# Altium PCB as_x31.PcbDoc (part 3 of 6)
Units mm, origin at the board's own origin, x right, y up, seen from the top; angles counter-clockwise.
Board outline 130 x 100 mm, 6 copper layers (Top Layer, Ground_1, int_1, int_2, Power, Bottom Layer), stack 1.49 mm thick; 421 components, 378 nets, 2561 pads, 1344 vias.
Unrouted connection lines stored in the file: 3.
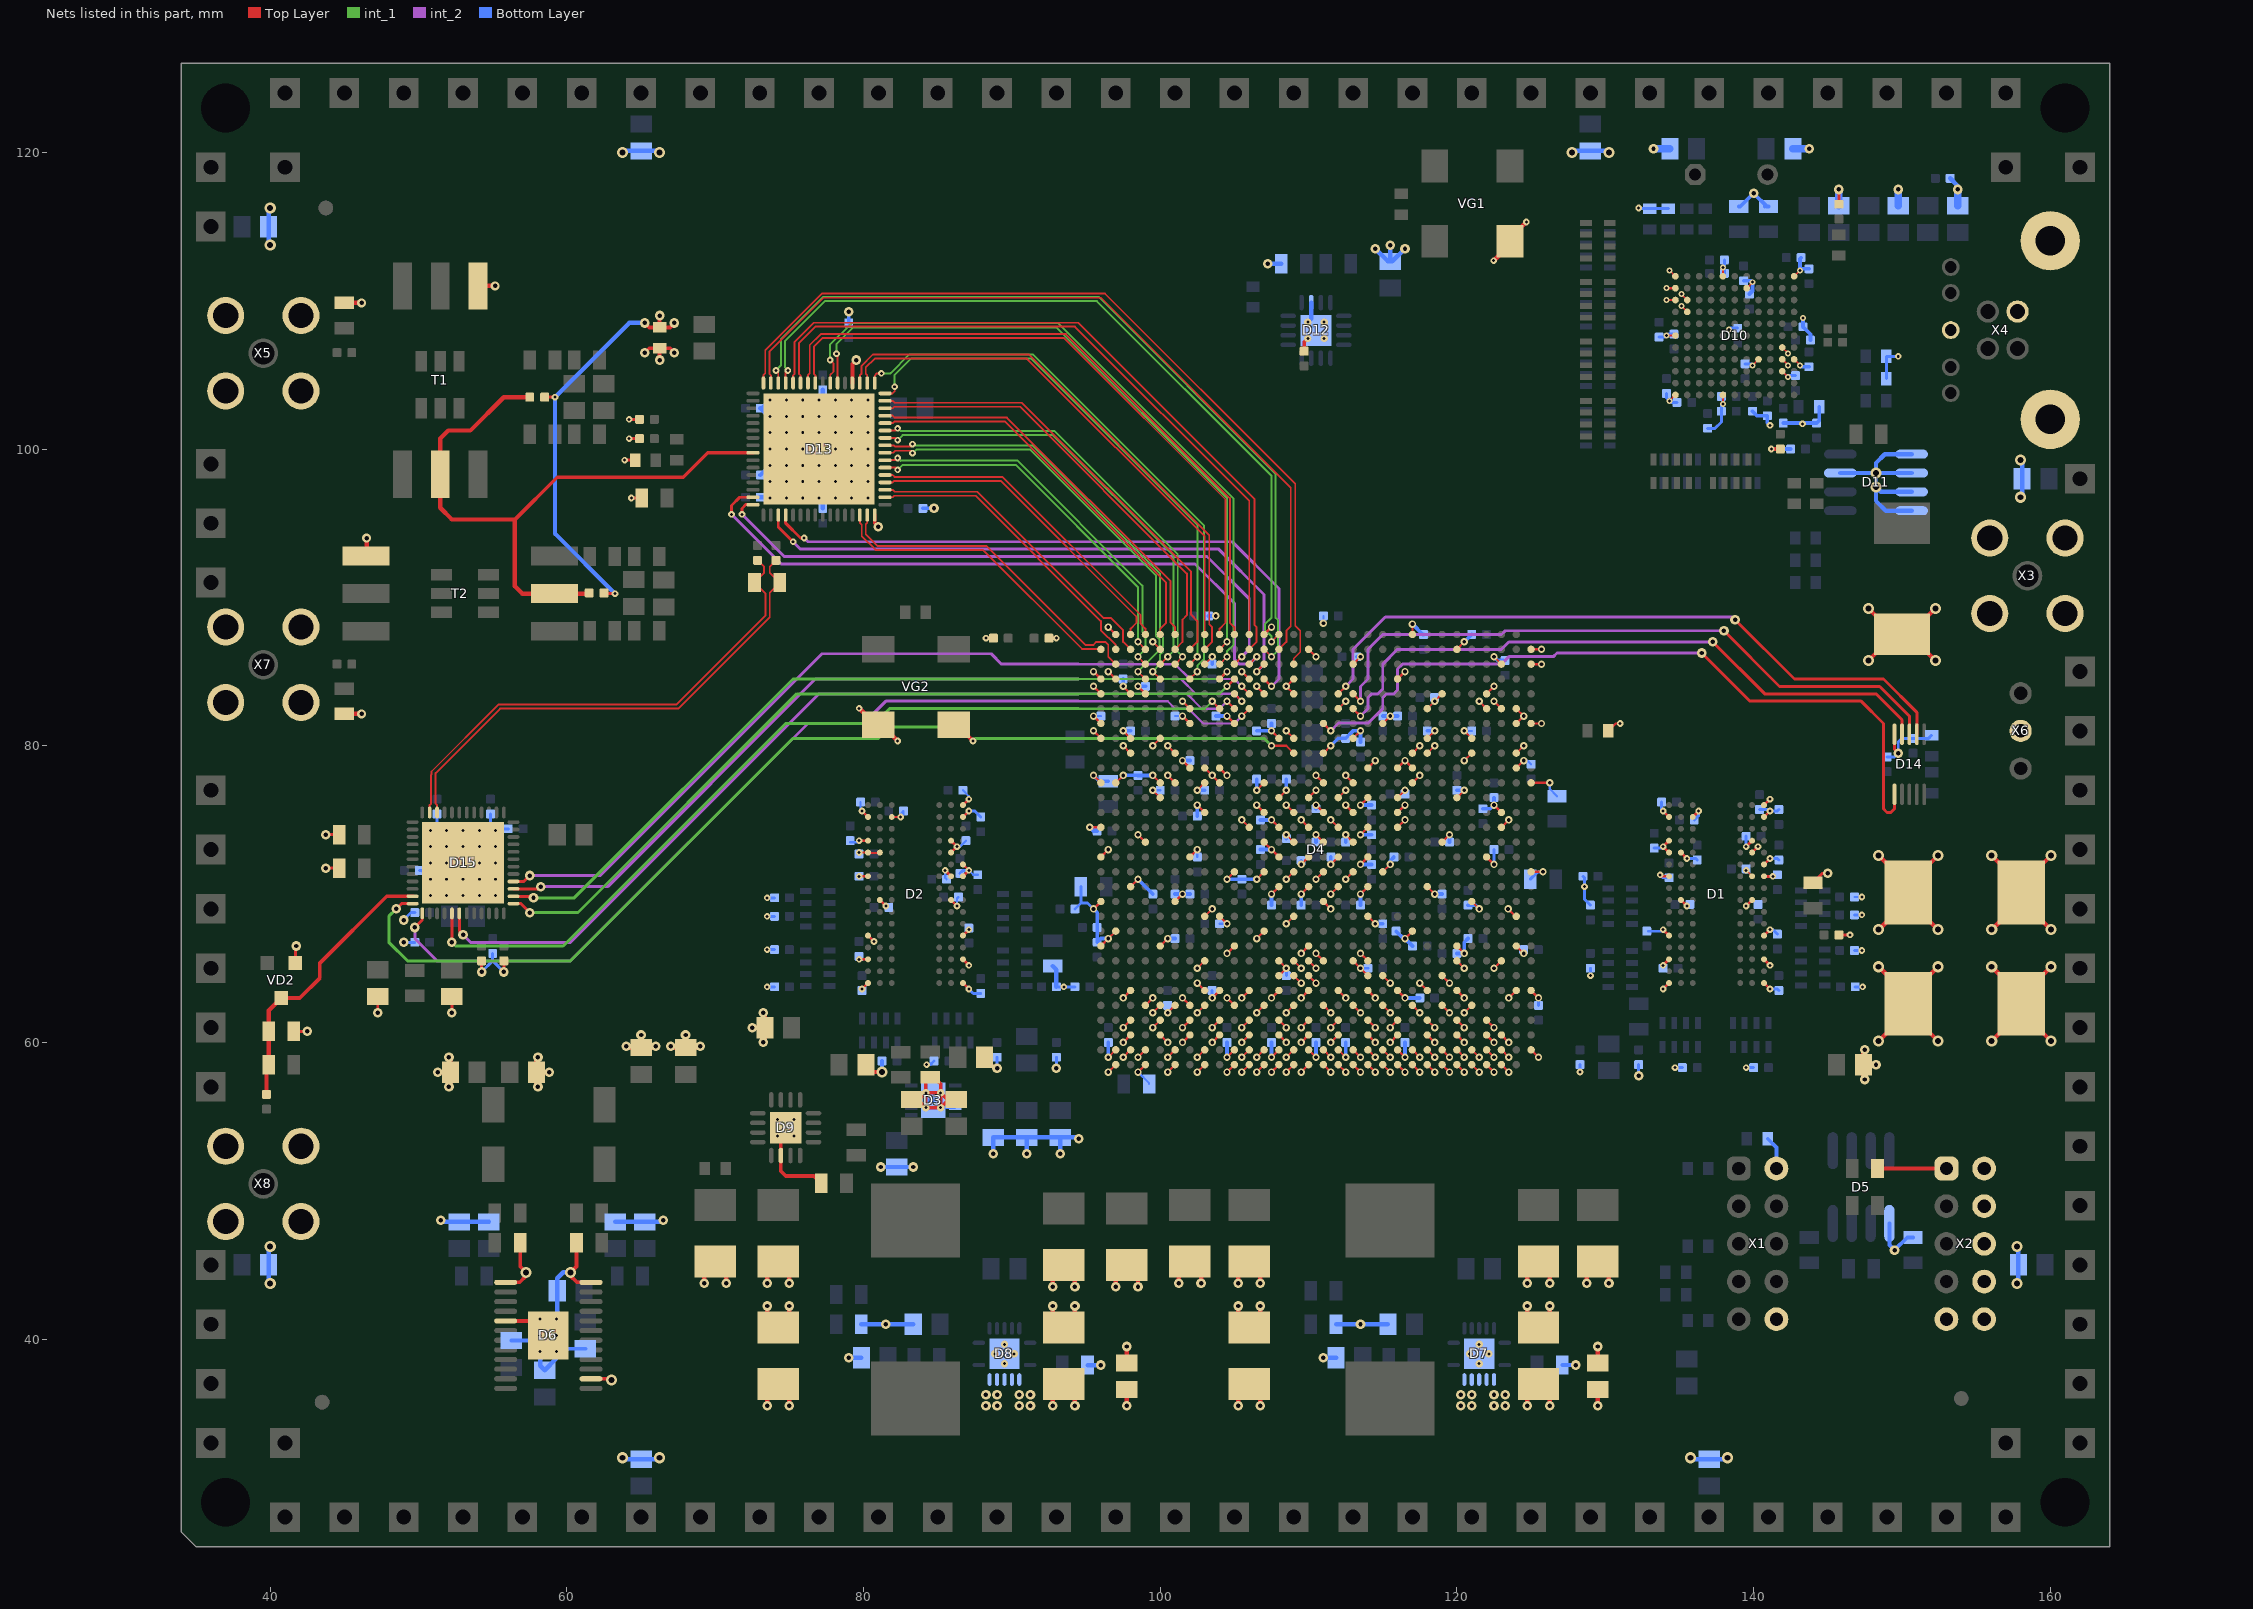
[diagram p7: the nets of this part, all layers, seen from the top]

## Via types
v1: diameter 0.5, hole 0.25, Top Layer to Bottom Layer, 538 vias
v2: diameter 0.45, hole 0.2, Top Layer to Bottom Layer, 348 vias
v3: diameter 0.65, hole 0.3, Top Layer to Bottom Layer, 223 vias
v4: diameter 0.5, hole 0.2, Top Layer to Bottom Layer, 100 vias
v5: diameter 0.4, hole 0.2, Top Layer to Bottom Layer, 83 vias
v6: diameter 0.75, hole 0.4, Top Layer to Bottom Layer, 45 vias
v7: diameter 0.6, hole 0.3, Top Layer to Bottom Layer, 7 vias

## Nets (pads, with @x,y where several pads share a name; then routed paths per layer and width w, separated by ;. In a path a pad name is that pad's centre, name@x,y a point inside that pad or via, vN(x,y) a via of type N, cw(c..) or ccw(c..) an arc to the next point about the centre after c; other vN are vias at no path point)
0V: C1.1 C2.1 C3.2 C4.2 C5.2 C6.2 C7.2 C8.2 C9.2 C10.2 C11.2 C12.2 C13.2 C14.2 C15.1 C16.1 C17.1 C18.1 C19.1 C20.1 C21.1 C22.1 C23.1 C24.1 C25.1 C26.1 C27.1 C28.1 C29.1 C30.1 C31.1 C32.1 C33.1 C34.1 C35.1 C36.1 C37.1 C38.1 C39.1 C40.1 C41.1 C42.1 C43.1 C44.1 C45.1 C46.1 C47.1 C48.1 C49.1 C50.1 C51.1 C52.1 C53.1 C54.1 C55.1 C56.1 C57.1 C58.1 C59.1 C60.1 C61.1 C62.1 C63.1 C64.1 C65.1 C66.1 C67.1 C68.1 C69.1 C70.1 C71.1 C72.1 C73.1 C74.1 C75.1 C76.1 C77.1 C78.1 C79.1 C80.1 C81.1 C82.1 C83.1 C84.1 C85.1 C86.1 C87.1 C88.1 C89.1 C90.1 C91.1 C92.1 C93.1 C94.1 C95.1 C96.1 C97.1 C98.1 C99.1 C100.1 C101.1 C102.1 C103.1 C104.1 C105.1 C106.1 C107.1 C108.1 C109.1 C110.1 C111.1 C112.1 C113.1 C114.1 C115.1 C116.1 C117.1 C118.1 C119.1 C120.1 C121.1 C122.1 C123.1 C124.1 C125.1 C126.1 C127.1 C128.1 C129.1 C130.1 C131.1 C132.1 C133.1 C134.1 C135.1 C136.1 C137.1 C138.1 C139.1 C140.1 C141.1 C142.1 C143.2 C144.2 C145.1 C146.1 C147.1 C148.1 C149.2 C150.2 C152.2 C153.2 C154.2 C155.2 C156.2 C157.1 C158.1 C159.1 C160.1 C161.1 C162.1 C163.1 C164.1 C165.1 C166.1 C167.2 C168.2 C169.2 C171.1 C172.1 C173.2 C174.2 C175.2 C176.2 C177.1 C178.1 C179.2 C182.1 C183.1 C184.1 C185.1 C186.1 C187.1 C188.1 C189.1 C190.1 C191.1 C192.1 C193.1 C194.1 C195.1 C196.1 C197.1 C198.1 C199.1 C200.1 C201.1 C202.1 C203.1 C204.1 C205.1 C206.1 C207.1 C208.1 C209.1 C210.1 C211.1 C212.1 C213.1 C214.1 C218.2 C219.1 C223.1 C233.2 C234.1 C235.1 C236.1 C237.1 C238.1 C239.1 C240.1 C241.1 C243.1 C244.1 C245.1 C246.1 C247.1 C248.1 C249.1 C250.1 C251.1 C252.1 C253.1 D1.A9 D1.B1 D1.B3 D1.B9 D1.D1 D1.D8 D1.E1 D1.E2 D1.E8 D1.F9 D1.G1 D1.G8 D1.G9 D1.J2 D1.J8 D1.M1 D1.M9 D1.P1 D1.P9 D1.T1 D1.T9 D2.A9 D2.B1 D2.B3 D2.B9 D2.D1 D2.D8 D2.E1 D2.E2 D2.E8 D2.F9 D2.G1 D2.G8 D2.G9 D2.J2 D2.J8 D2.M1 D2.M9 D2.P1 D2.P9 D2.T1 D2.T9 D3.4 D3.8 D3.11 D4.A9 D4.A12 D4.A15 D4.A17 D4.A20 D4.A23 D4.A24 D4.A26 D4.A27 D4.AA1 D4.AA2 D4.AA3 D4.AA4 D4.AA6 D4.AA17 D4.AA18 D4.AA19 D4.AA21 D4.AA27 D4.AB1 D4.AB2 D4.AB5 D4.AB10 D4.AB20 D4.AB21 D4.AB22 D4.AB30 D4.AC1 D4.AC2 D4.AC3 D4.AC4 D4.AC6 D4.AC13 D4.AC22 D4.AC23 D4.AC25 D4.AD1 D4.AD2 D4.AD5 D4.AD7 D4.AD16 D4.AD26 D4.AE1 D4.AE2 D4.AE3 D4.AE4 D4.AE6 D4.AE8 D4.AE9 D4.AE19 D4.AE29 D4.AF1 D4.AF2 D4.AF5 D4.AF12 D4.AF22 D4.AF23 D4.AG1 D4.AG2 D4.AG3 D4.AG4 D4.AG15 D4.AG25 D4.AG26 D4.AH1 D4.AH2 D4.AH3 D4.AH8 D4.AH17 D4.AH18 D4.AH25 D4.AH28 D4.AJ6 D4.AJ9 D4.AJ11 D4.AJ21 D4.AJ22 D4.AJ24 D4.AJ25 D4.AK2 D4.AK6 D4.AK14 D4.AK20 D4.AK24 D4.AK28 D4.AK29 D4.B1 D4.B2 D4.B10 D4.B20 D4.B27 D4.B30 D4.C2 D4.C3 D4.C4 D4.C6 D4.C13 D4.C22 D4.C23 D4.C26 D4.D1 D4.D2 D4.D5 D4.D16 D4.D26 D4.E3 D4.E4 D4.E5 D4.E9 D4.E19 D4.E20 D4.E23 D4.E29 D4.F1 D4.F2 D4.F5 D4.F12 D4.F20 D4.F22 D4.G3 D4.G4 D4.G5 D4.G15 D4.G21 D4.G24 D4.G25 D4.H1 D4.H2 D4.H5 D4.H6 D4.H8 D4.H11 D4.H18 D4.H20 D4.H21 D4.H28 D4.J3 D4.J4 D4.J6 D4.J11 D4.J20 D4.J21 D4.K1 D4.K2 D4.K5 D4.K9 D4.K14 D4.K24 D4.L1 D4.L2 D4.L3 D4.L4 D4.L6 D4.L17 D4.L27 D4.M1 D4.M2 D4.M5 D4.M10 D4.M14 D4.M16 D4.M18 D4.M20 D4.M26 D4.M30 D4.N1 D4.N2 D4.N3 D4.N4 D4.N6 D4.N7 D4.N8 D4.N13 D4.N15 D4.N17 D4.N19 D4.N23 D4.P1 D4.P2 D4.P5 D4.P7 D4.P8 D4.P11 D4.P14 D4.P16 D4.P18 D4.P23 D4.P26 D4.P27 D4.R1 D4.R2 D4.R3 D4.R4 D4.R6 D4.R7 D4.R8 D4.R9 D4.R13 D4.R15 D4.R17 D4.R19 D4.R29 D4.T1 D4.T2 D4.T5 D4.T8 D4.T12 D4.T14 D4.T16 D4.T18 D4.T20 D4.T22 D4.U1 D4.U2 D4.U3 D4.U4 D4.U6 D4.U13 D4.U15 D4.U17 D4.U19 D4.U25 D4.V1 D4.V2 D4.V5 D4.V8 D4.V14 D4.V16 D4.V18 D4.V20 D4.V23 D4.V28 D4.W1 D4.W2 D4.W3 D4.W4 D4.W6 D4.W7 D4.W8 D4.W11 D4.W13 D4.W15 D4.W17 D4.W19 D4.W21 D4.Y1 D4.Y2 D4.Y5 D4.Y7 D4.Y14 D4.Y24 D5.5 D6.1 D6.5 D6.14 D6.24 D6.25 D7.2 D7.3 D7.15 D8.2 D8.3 D8.15 D9.6 D9.17 D10.A1 D10.A8 D10.B7 D10.B8 D10.B9 D10.D8 D10.E2 D10.G1 D10.G11 D10.K3 D10.K4 D10.L1 D10.L2 D10.L3 D10.L6 D10.L11 D11.1 D11.2 D11.3 D11.4 D11.7 D12.6 D12.17 D13.20 D13.64 D14.10 D15.49 L17.1 L18.1 L19.1 L20.1 L21.1 L22.1 L23.1 L24.1 R13.2 R14.2 R15.1 R16.1 R20.1 R22.2 R23.2 R24.2 R33.1 R38.1 R39.2 R42.2 R44.1 R45.2 R49.1 R52.1 R53.2 R54.1 R59.1 R60.2 R61.1 R68.2 R79.2 R80.2 R83.1 R92.2 R99.1 R104.1 R105.2 R106.2 R109.2 VD2.3 VG1.2 VG2.2 X1.2 X1.10 X2.2 X2.4 X2.6 X2.8 X2.9 X2.10 X3.2 X4.4 X4.7 X4.10 X6.2 X8.2 | length 619.2
  Top Layer w0.125: v5(134.329,103.246) D10.L11@134.729,103.646 ; v5(134.329,112.046) D10.L1@134.729,111.646 ; v5(135.129,109.646) D10.K4@135.529,109.246 ; v5(135.129,110.446) D10.K3@135.529,110.046 ; D10.E2@139.529,110.846 v5(139.929,111.246) ; v5(139.929,105.646) D10.D8@140.329,106.046 ; D10.B9@141.929,105.246 v5(142.329,104.846) ; D10.B8@141.929,106.046 v5(142.329,105.646) ; D10.B7@141.929,106.846 v5(142.329,106.446) ; D10.A8@142.729,106.046 v5(143.129,105.646) ; D10.A1@142.729,111.646 v5(143.129,112.046)
  Top Layer w0.15: v2(79.7,65.6) D2.P1@80.3,65.6 ; v2@79.7,71.2 D2.G1@80.3,71.2 ; v2(79.7,72.8) D2.E1@80.3,72.8 80.325,72.775 81.075,72.775 D2.E2@81.1,72.8 ; v2(79.7,73.6) D2.D1@80.3,73.6 ; D2.B3@81.9,75.2 v2(82.5,75.2) ; D2.F9@86.7,72 v2(87.1,71.6) ; v1(95.25,74.5) D4.A17@96,74.5 ; v1(95.5,69) D4.A12@96,69.5 ; v1(95.5,78) D4.A20@96,77.5 ; v1(95.5,81) D4.A23@96,80.5 ; v1(95.5,82) D4.A24@96,81.5 ; v1(95.5,84) D4.A26@96,83.5 ; v1(95.5,85) D4.A27@96,84.5 ; D4.A9@96,66.5 v1(96.5,67) D4.B10@97,67.5 ; D4.A15@96,72.5 v1(96.5,73) ; v1(96.5,58) D4.B1@97,58.5 ; v1(96.5,59) D4.B2@97,59.5 ; v1(96.5,85) D4.B27@97,84.5 ; v1(96.5,88) D4.B30@97,87.5 ; D4.B20@97,77.5 v1(97.5,78) ; v1(97.5,59) D4.C2@98,59.5 ; v1(97.5,60) D4.C3@98,60.5 ; v1(97.5,61) D4.C4@98,61.5 ; v1(97.5,63) D4.C6@98,63.5 ; v1(97.5,80) D4.C22@98,79.5 ; v1(97.5,81) D4.C23@98,80.5 ; v1(97.5,84) D4.C26@98,83.5 ; D4.C13@98,70.5 v1(98.5,71) ; v1(98.5,58) D4.D1@99,58.5 ; v1(98.5,59) D4.D2@99,59.5 ; v1(98.5,74) D4.D16@99,73.5 ; v1(98.5,84) D4.D26@99,83.5 ; D4.D5@99,62.5 v1(99.5,63) ; v1(99.5,61) D4.E4@100,61.5 ; v1(99.5,62) D4.E5@100,62.5 ; v1(99.5,77) D4.E19@100,76.5 ; v1(99.5,78) D4.E20@100,77.5 ; v1(99.5,80) D4.E23@100,80.5 ; v1(99.5,87) D4.E29@100,86.5 ; D4.E3@100,60.5 v1(100.5,60) ; D4.E9@100,66.5 v1(100.5,67) ; v1(100.5,58) D4.F1@101,58.5 ; v1(100.5,59) D4.F2@101,59.5 ; v1(100.5,62) D4.F5@101,62.5 ; v1(100.5,78) D4.F20@101,77.5 ; v1(100.5,80) D4.F22@101,79.5 ; D4.F12@101,69.5 v1(101.5,70) ; v1(101.5,60) D4.G3@102,60.5 ; v1(101.5,61) D4.G4@102,61.5 ; v1(101.5,63) D4.G5@102,62.5 ; v1(101.5,79) D4.G21@102,78.5 ; v1(101.5,82) D4.G24@102,81.5 ; v1(101.5,83) D4.G25@102,82.5 ; D4.G15@102,72.5 v1(102.5,73) ; v1(102.5,58) D4.H1@103,58.5 ; v1(102.5,59) D4.H2@103,59.5 ; v1(102.5,62) D4.H5@103,62.5 ; v1(102.5,64) D4.H6@103,63.5 ; v1(102.5,65) D4.H8@103,65.5 ; v1(102.5,76) D4.H18@103,75.5 ; v1(102.5,77) D4.H20@103,77.5 ; D4.H11@103,68.5 v1(103.5,69) ; D4.H21@103,78.5 v1(103.5,78) D4.J20@104,77.5 ; D4.H28@103,85.5 v1(103.5,86) ; v1(103.5,60) D4.J3@104,60.5 ; v1(103.5,61) D4.J4@104,61.5 ; v1(103.5,63) D4.J6@104,63.5 ; D4.J11@104,68.5 v1(104.5,68) ; D4.J21@104,78.5 v1(104.5,78) ; v1(104.5,58) D4.K1@105,58.5 ; v1(104.5,59) D4.K2@105,59.5 ; v1(104.5,63) D4.K5@105,62.5 ; v1(104.5,66) D4.K9@105,66.5 ; v1(104.5,71) D4.K14@105,71.5 ; v1(104.5,82) D4.K24@105,81.5 ; v1(105.5,58) D4.L1@106,58.5 ; v1(105.5,59) D4.L2@106,59.5 ; v1(105.5,60) D4.L3@106,60.5 ; v1(105.5,61) D4.L4@106,61.5 ; v1(105.5,63) D4.L6@106,63.5 ; v1(105.5,75) D4.L17@106,74.5 ; v1(105.5,85) D4.L27@106,84.5 ; v1(106.5,58) D4.M1@107,58.5 ; v1(106.5,59) D4.M2@107,59.5 ; v1(106.5,62) D4.M5@107,62.5 ; v1(106.5,67) D4.M10@107,67.5 ; v1(106.5,71) D4.M14@107,71.5 ; v1(106.5,76) D4.M18@107,75.5 ; v1(106.5,77) D4.M20@107,77.5 ; v1(106.5,84) D4.M26@107,83.5 ; D4.M16@107,73.5 v1(107.5,73) D4.N15@108,72.5 ; D4.M30@107,87.5 v1(107.5,88) ; v1(107.5,58) D4.N1@108,58.5 ; v1(107.5,59) D4.N2@108,59.5 ; v1(107.5,63) D4.N6@108,63.5 ; v1(107.5,70) D4.N13@108,70.5 ; v1(107.5,75) D4.N17@108,74.5 ; v1(107.5,81) D4.N23@108,80.5 ; D4.N3@108,60.5 v1(108.5,60) ; D4.N4@108,61.5 v1(108.5,61) ; D4.N7@108,64.5 v1(108.5,65) D4.N8@108,65.5 ; D4.N19@108,76.5 v1(108.5,77) ; v1(108.5,58) D4.P1@109,58.5 ; v1(108.5,59) D4.P2@109,59.5 ; v1(108.5,62) D4.P5@109,62.5 ; v1(108.5,68) D4.P11@109,68.5 ; v1(108.5,71) D4.P14@109,71.5 ; v1(108.5,74) D4.P16@109,73.5 ; v1(108.5,76) D4.P18@109,75.5 ; v1(108.5,81) D4.P23@109,80.5 ; D4.P7@109,64.5 v1(109.5,64) ; D4.P8@109,65.5 v1(109.5,65) ; D4.P26@109,83.5 v1(108.5,84) D4.P27@109,84.5 ; v1(109.5,58) D4.R1@110,58.5 ; v1(109.5,60) D4.R3@110,60.5 ; v1(109.5,61) D4.R4@110,61.5 ; v1(109.5,63) D4.R6@110,63.5 ; v1(109.5,66) D4.R9@110,66.5 ; v1(109.5,70) D4.R13@110,70.5 ; v1(109.5,72) D4.R15@110,72.5 ; v1(109.5,75) D4.R17@110,74.5 ; D4.R2@110,59.5 v1(110.5,59) ; D4.R7@110,64.5 v1(110.5,64) ; D4.R8@110,65.5 v1(110.5,65) ; D4.R19@110,76.5 v1(110.5,77) ; D4.R29@110,86.5 v1(110.5,86) ; v1(110.5,66) D4.T8@111,65.5 ; v1(110.5,71) D4.T14@111,71.5 ; v1(110.5,74) D4.T16@111,73.5 ; v1(110.5,76) D4.T18@111,75.5 ; v1(110.5,78) D4.T20@111,77.5 ; D4.T1@111,58.5 v1(111.5,58) ; D4.T2@111,59.5 v1(111.5,59) ; D4.T5@111,62.5 v1(111.5,62) ; D4.T12@111,69.5 v1(111.5,69) ; D4.T22@111,79.5 v1(111.5,80) ; v1(111.5,60) D4.U3@112,60.5 ; v1(111.5,61) D4.U4@112,61.5 ; v1(111.5,70) D4.U13@112,70.5 ; v1(111.5,72) D4.U15@112,72.5 ; v1(111.5,75) D4.U17@112,74.5 ; D4.U1@112,58.5 v1(112.5,58) ; D4.U2@112,59.5 v1(112.5,59) ; D4.U6@112,63.5 v1(112.5,63) ; D4.U19@112,76.5 v1(112.5,77) ; D4.U25@112,82.5 v1(112.5,83) ; v1(112.5,71) D4.V14@113,71.5 ; v1(112.5,74) D4.V16@113,73.5 ; v1(112.5,76) D4.V18@113,75.5 ; v1(112.5,78) D4.V20@113,77.5 ; D4.V1@113,58.5 v1(113.5,58) ; D4.V2@113,59.5 v1(113.5,59) ; D4.V5@113,62.5 v1(113.5,62) ; D4.V8@113,65.5 v1(113.5,65) D4.W7@114,64.5 ; D4.V23@113,80.5 v1(113.5,81) ; D4.V28@113,85.5 v1(113.5,86) ; v1(113.5,66) D4.W8@114,65.5 ; v1(113.5,70) D4.W13@114,70.5 ; v1(113.5,72) D4.W15@114,72.5 ; v1(113.5,74) D4.W17@114,74.5 ; v1(113.5,76) D4.W19@114,76.5 ; D4.W1@114,58.5 v1(114.5,58) ; D4.W2@114,59.5 v1(114.5,59) ; D4.W3@114,60.5 v1(114.5,60) ; D4.W4@114,61.5 v1(114.5,61) ; D4.W6@114,63.5 v1(114.5,63) ; D4.W11@114,68.5 v1(114.5,68) ; D4.W21@114,78.5 v1(114.5,79) ; D4.Y1@115,58.5 v1(115.5,58) ; D4.Y2@115,59.5 v1(115.5,59) ; D4.Y5@115,62.5 v1(115.5,62) ; D4.Y7@115,64.5 v1(115.5,64) ; D4.Y14@115,71.5 v1(115.5,72) ; D4.Y24@115,81.5 v1(115.5,82) ; v1(115.5,60) D4.AA3@116,60.5 ; v1(115.5,61) D4.AA4@116,61.5 ; D4.AA1@116,58.5 v1(116.5,58) ; D4.AA2@116,59.5 v1(116.5,59) ; D4.AA6@116,63.5 v1(116.5,63) ; D4.AA17@116,74.5 v1(116.5,75) ; D4.AA18@116,75.5 v1(116.5,76) ; D4.AA19@116,76.5 v1(116.5,77) ; D4.AA21@116,78.5 v1(116.5,79) D4.AB21@117,78.5 ; D4.AA27@116,84.5 v1(116.5,85) ; v1(116.5,67) D4.AB10@117,67.5 ; D4.AB1@117,58.5 v1(117.5,58) ; D4.AB2@117,59.5 v1(117.5,59) ; D4.AB5@117,62.5 v1(117.5,62) ; D4.AB20@117,77.5 v1(117.5,78) ; D4.AB22@117,79.5 v1(117.5,80) ; D4.AB30@117,87.5 v1(117,88.2) ; v1(117.5,64) D4.AC6@118,63.5 ; D4.AC1@118,58.5 v1(118.5,58) ; D4.AC2@118,59.5 v1(118.5,59) ; D4.AC3@118,60.5 v1(118.5,60) ; D4.AC4@118,61.5 v1(118.5,61) ; D4.AC13@118,70.5 v1(118.5,70) ; D4.AC22@118,79.5 v1(118.5,80) ; D4.AC23@118,80.5 v1(118.5,81) ; D4.AC25@118,82.5 v1(118.5,83) D4.AD26@119,83.5 ; D4.AD1@119,58.5 v1(119.5,58) ; D4.AD2@119,59.5 v1(119.5,59) ; D4.AD5@119,62.5 v1(119.5,62) ; D4.AD7@119,64.5 v1(119.5,64) ; D4.AD16@119,73.5 v1(119.5,74) ; D4.AE1@120,58.5 v1(120.5,58) ; D4.AE2@120,59.5 v1(120.5,59) ; D4.AE3@120,60.5 v1(120.5,60) ; D4.AE4@120,61.5 v1(120.5,61) ; D4.AE6@120,63.5 v1(120.5,63) ; D4.AE8@120,65.5 v1(120.5,65) ; D4.AE9@120,66.5 v1(120.5,66) ; D4.AE19@120,76.5 v1(120.5,77) ; D4.AE29@120,86.5 v1(120.5,87) ; v1(120.5,62) D4.AF5@121,62.5 ; v1(120.5,79) D4.AF22@121,79.5 ; v1(120.5,81) D4.AF23@121,80.5 ; D4.AF1@121,58.5 v1(121.5,58) ; D4.AF2@121,59.5 v1(121.5,59) ; D4.AF12@121,69.5 v1(121.5,69) ; v1(121.5,83) D4.AG25@122,82.5 ; D4.AG1@122,58.5 v1(122.5,58) ; D4.AG2@122,59.5 v1(122.5,59) ; D4.AG3@122,60.5 v1(122.5,60) ; D4.AG4@122,61.5 v1(122.5,61) ; D4.AG15@122,72.5 v1(122.5,72) ; D4.AG26@122,83.5 v1(122.5,84) ; v1(122.5,65) D4.AH8@123,65.5 ; v1(122.5,76) D4.AH18@123,75.5 ; v1(122.5,83) D4.AH25@123,82.5 ; v1(122.5,86) D4.AH28@123,85.5 ; D4.AH1@123,58.5 v1(123.5,58) ; D4.AH2@123,59.5 v1(123.5,59) ; D4.AH3@123,60.5 v1(123.5,60) ; D4.AH17@123,74.5 v1(123.5,75) ; v1(123.45,69) D4.AJ11@123.95,68.5 ; v1(123.5,63) D4.AJ6@124,63.5 ; D4.AJ9@124,66.5 v1(124.5,66) ; D4.AJ21@124,78.5 v1(124.5,79) ; D4.AJ22@124,79.5 v1(124.5,80) ; D4.AJ24@124,81.5 v1(124.5,82) ; D4.AJ25@124,82.5 v1(124.5,82) ; D4.AK2@125,59.5 v1(125.5,59) ; D4.AK6@125,63.5 v1(125.5,63) ; D4.AK14@125,71.5 v1(125.8,71.5) ; D4.AK20@125,77.5 v1(126.25,77.5) ; D4.AK24@125,81.5 v1(125.7,81.5) ; D4.AK28@125,85.5 v1(125.7,85.5) ; D4.AK29@125,86.5 v1(125.7,86.5) ; R22.2@130.2,81 130.7,81.5 v2(131,81.5) ; v2(133.7,71.3) 133.8,71.2 D1.G1@134.3,71.2 ; v5(134.129,107.646) D10.L6@134.729,107.646 ; v5(134.129,110.046) D10.L3@134.729,110.046 ; v5(134.129,110.846) D10.L2@134.729,110.846 ; v5(137.929,103.046) D10.G11@137.929,103.646 ; D10.G1@137.929,111.646 v5(137.929,112.246) ; v2(139.5,71.6) D1.G8@139.9,71.2
  Top Layer w0.2: R104.1@41.6,60.75 v3(42.5,60.75) ; VD2.3@41.7,65.35 41.7,66.45 v3(41.75,66.5) ; v3(43.75,71.75) R106.2@44.65,71.75 ; v3(43.75,74) R105.2@44.65,74 ; v3(47.25,62) C246.1@47.25,63.1 ; v3(52.25,62) C247.1@52.25,63.1 ; v3(54.25,64.75) C245.1@54.25,65.5 ; v3(55.75,64.75) C236.1@55.75,65.5 ; C218.2@58.45,103.55 58.5,103.5 v2(59.2,103.5) ; C233.2@62.5,90.3 62.55,90.25 v2(63.25,90.25) ; v2(79.9,63.6) D2.T1@80.3,64 ; v2(79.9,75.6) D2.B1@80.3,75.2 ; D2.M1@80.3,67.2 v2(80.7,66.8) ; D2.J2@81.1,69.6 v2(81.5,69.2) ; v2(85.5,71.6) D2.G8@85.9,71.2 ; D2.J8@85.9,69.6 v2(86.3,69.2) ; D2.E8@85.9,72.8 v2(86.3,73.2) D2.D8@85.9,73.6 ; D2.T9@86.7,64 v2(87.1,63.6) ; D2.P9@86.7,65.6 v2(87.1,65.2) ; D2.M9@86.7,67.2 v2(87.1,67.6) ; D2.G9@86.7,71.2 v2(87.1,71.6) ; D2.B9@86.7,75.2 v2(87.1,75.6) ; D2.A9@86.7,76 v2(87.1,76.4) ; C60.1@88.15,59 88.9,58.25 v3(89,58.25) ; v2(133.9,63.6) D1.T1@134.3,64 ; v2(133.9,65.2) D1.P1@134.3,65.6 ; v2(133.9,67.6) D1.M1@134.3,67.2 ; v2(133.9,75.6) D1.B1@134.3,75.2 ; D1.E1@134.3,72.8 v2(133.9,73.2) D1.D1@134.3,73.6 ; D1.J2@135.1,69.6 v2(135.5,69.2) ; D1.E2@135.1,72.8 v2(135.5,72.4) ; D1.B3@135.9,75.2 v2(136.3,75.6) ; v2(139.5,69.2) D1.J8@139.9,69.6 ; v2(139.5,73.2) D1.D8@139.9,73.6 ; D1.E8@139.9,72.8 v2(140.3,73.2) ; D1.T9@140.7,64 v2(141.1,63.6) ; D1.P9@140.7,65.6 v2(141.1,65.2) ; D1.M9@140.7,67.2 v2(141.1,67.6) ; D1.G9@140.7,71.2 v2(141.3,71.2) ; D1.F9@140.7,72 v2(141.1,72.4) ; D1.B9@140.7,75.2 v2(141.1,75.6) ; D1.A9@140.7,76 v2(141.1,76.4) ; R13.2@144,70.75 144.65,71.4 v3(145,71.4) ; C118.1@145.75,67.25 v2(146.5,67.25) ; C187.1@145.75,116.5 v3(145.75,117.5) ; D14.10@149.5,80.775 149.5,79.75 v3(149.75,79.5)
  Top Layer w0.25: D6.5@55.875,41.225 57.775,41.225 D6.25@58.75,40.25 ; D6.1@55.875,43.825 56.825,43.825 57.25,44.25 v6(57.25,44.5) 56.85,44.9 R49.1@56.85,46.5 ; R42.2@60.65,46.5 60.65,44.9 v6(60.25,44.5) 60.25,44.25 60.675,43.825 D6.24@61.625,43.825 ; D6.14@61.625,37.325 62.925,37.325 v6(63,37.25) ; v3(65.25,108.5) 65.55,108.2 R99.1@66.25,108.2 ; v3(66.25,109) R99.1@66.25,108.2 ; v3(67.25,108.5) 66.95,108.2 R99.1@66.25,108.2 ; D9.17@74.75,54.25 74.425,53.925 D9.6@74.425,52.375 74.425,51.325 74.75,51 76.65,51 R54.1@77.15,50.5 ; D13.20@79.25,104.45 79.25,105.75 v3(79.5,106) ; C42.1@80.15,58.5 80.65,58 v6(81.25,58) ; D13.64@80.75,95.55 80.75,95 v3(81,94.75) ; C62.1@83.25,56.15 C62.1@83.65,56.15 ; C61.1@86.25,56.15 C61.1@85.75,56.15 ; v2(88.25,87.25) C123.1@88.75,87.25 ; C122.1@92.5,87.25 v2(93,87.25) ; C202.1@109.7,106.6 109.7,107.2 v4(109.95,107.45) ; v2(141.2,100) C179.2@141.8,100 ; C62.1@83.65,56.15 v4(84.2,55.6) ; C62.1@83.65,56.15 83.75,56.15 v4(84.2,56.6) ; v4(84.2,55.6) v4(84.2,56.6) ; v4(84.2,55.6) v4(85.2,55.6) ; v4(84.2,56.6) v4(85.2,56.6) ; v4(84.2,56.6) 84.2,57.35 R20.1@84.5,57.65 84.75,57.65 85.2,57.2 v4(85.2,56.6) ; v4(85.2,55.6) v4(85.2,56.6) ; v4(85.2,55.6) C61.1@85.75,56.15 ; v4(85.2,56.6) 85.65,56.15 C61.1@85.75,56.15
  Top Layer w0.3: v3(51.3,58) C163.1@52.15,58 ; v3(52.05,57) 52.15,57.1 C163.1@52.15,58 ; v3(52.05,59) 52.15,58.9 C163.1@52.15,58 ; v3(58.05,57) 57.95,57.1 C162.1@57.95,58 ; v3(58.05,59) 57.95,58.9 C162.1@57.95,58 ; v3(58.8,58) C162.1@57.95,58 ; v3(64,59.75) 64.1,59.65 C147.1@65,59.65 ; v3(65,60.5) C147.1@65,59.65 ; v3(66,59.75) 65.9,59.65 C147.1@65,59.65 ; v3(67,59.75) 67.1,59.65 C148.1@68,59.65 ; v3(68,60.5) C148.1@68,59.65 ; v3(69,59.75) 68.9,59.65 C148.1@68,59.65 ; v3(69.25,43.77) 69.25,44.48 C176.2@70,45.23 70.75,44.48 v3(70.75,43.77) ; v3(72.5,61) C171.1@73.35,61 ; v3(73.25,60) 73.35,60.1 C171.1@73.35,61 ; v3(73.25,62) 73.35,61.9 C171.1@73.35,61 ; v3(73.5,42.23) 73.5,41.52 C168.2@74.25,40.77 75,41.52 v3(75,42.23) ; v3(73.5,43.77) 73.5,44.48 C173.2@74.25,45.23 75,44.48 v3(75,43.77) ; v2(79.7,82.52) 80.8,81.42 VG2.2@81,81.42 81.2,81.42 v2(82.3,80.32) ; v3(92.75,43.52) 92.75,44.23 C175.2@93.5,44.98 94.25,44.23 v3(94.25,43.52) ; v3(92.75,42.23) 92.75,41.52 C169.2@93.5,40.77 94.25,41.52 v3(94.25,42.23) ; v3(97,43.52) 97,44.23 C174.2@97.75,44.98 98.5,44.23 v3(98.5,43.52) ; C167.2@97.75,38.4 v3(97.75,39.5) ; v3(101.25,43.77) 101.25,44.48 C154.2@102,45.23 102.75,44.48 v3(102.75,43.77) ; v3(105.25,42.23) 105.25,41.52 C150.2@106,40.77 106.75,41.52 v3(106.75,42.23) ; v3(105.25,43.77) 105.25,44.48 C153.2@106,45.23 106.75,44.48 v3(106.75,43.77) ; v2(122.48,112.7) 123.58,113.8 VG1.2@123.58,114 123.58,114.2 v2(124.68,115.3) ; v3(124.75,42.23) 124.75,41.52 C149.2@125.5,40.77 126.25,41.52 v3(126.25,42.23) ; v3(124.75,43.77) 124.75,44.48 C155.2@125.5,45.23 126.25,44.48 v3(126.25,43.77) ; v3(128.75,43.77) 128.75,44.48 C156.2@129.5,45.23 130.25,44.48 v3(130.25,43.77) ; C144.2@129.5,38.4 v3(129.5,39.5) ; v3(147.5,57.5) 147.4,57.6 C172.1@147.4,58.5 ; v3(147.5,59.5) 147.4,59.4 C172.1@147.4,58.5 ; v3(148.25,58.5) C172.1@147.4,58.5 ; v6(148.43,60.1) C152.2@150.43,62.1 ; v6(148.43,65.1) C152.2@150.43,63.1 ; v6(148.43,67.6) C143.2@150.43,69.6 ; v6(148.43,72.6) C143.2@150.43,70.6 ; v6(152.43,60.1) C152.2@150.43,62.1 ; v6(152.43,65.1) C152.2@150.43,63.1 ; v6(152.43,67.6) C143.2@150.43,69.6 ; v6(152.43,72.6) C143.2@150.43,70.6 ; C152.2@150.43,62.1 C152.2@150.43,62.6 C152.2@150.43,63.1 ; C152.2@150.43,62.1 C152.2@150.43,63.1 ; C143.2@150.43,69.6 C143.2@150.43,70.1 C143.2@150.43,70.6 ; C143.2@150.43,69.6 C143.2@150.43,70.6